# Altium PCB 3D-CPU-board-multi.PcbDoc (part 1 of 3)
Units mm, origin at the board's own origin, x right, y up, seen from the top; angles counter-clockwise.
Board outline 100 x 66.22 mm, 6 copper layers (L1, Power, L2, L3, CommonGND, L4), stack 2.134 mm thick; 307 components, 215 nets, 1001 pads, 419 vias.
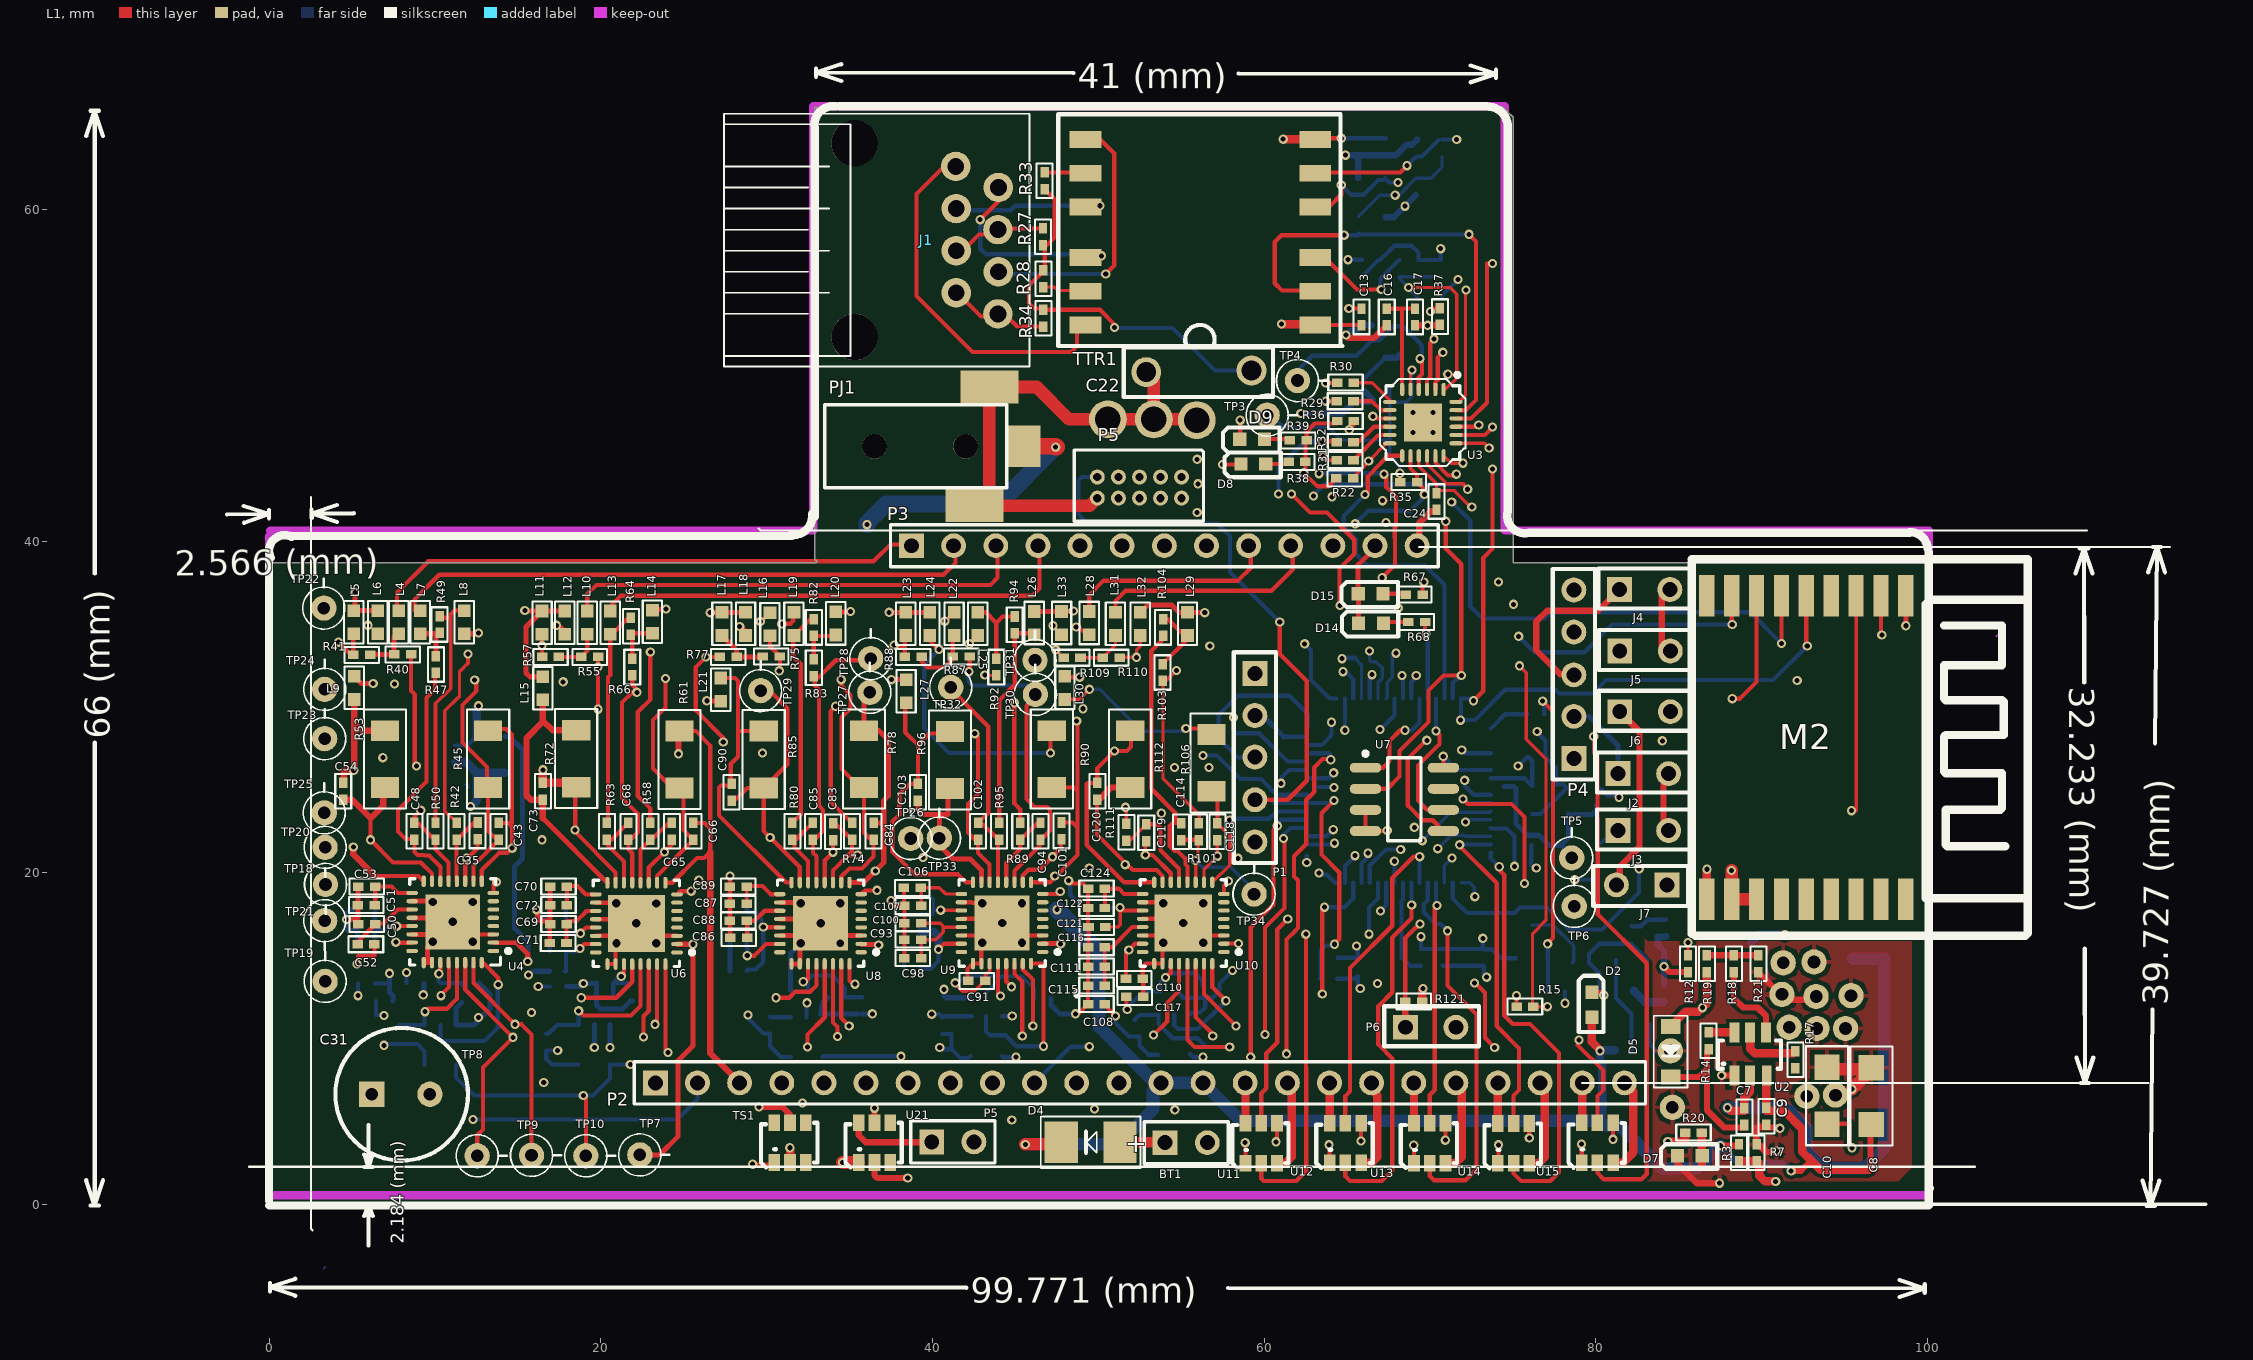
[diagram p0: L1 view]
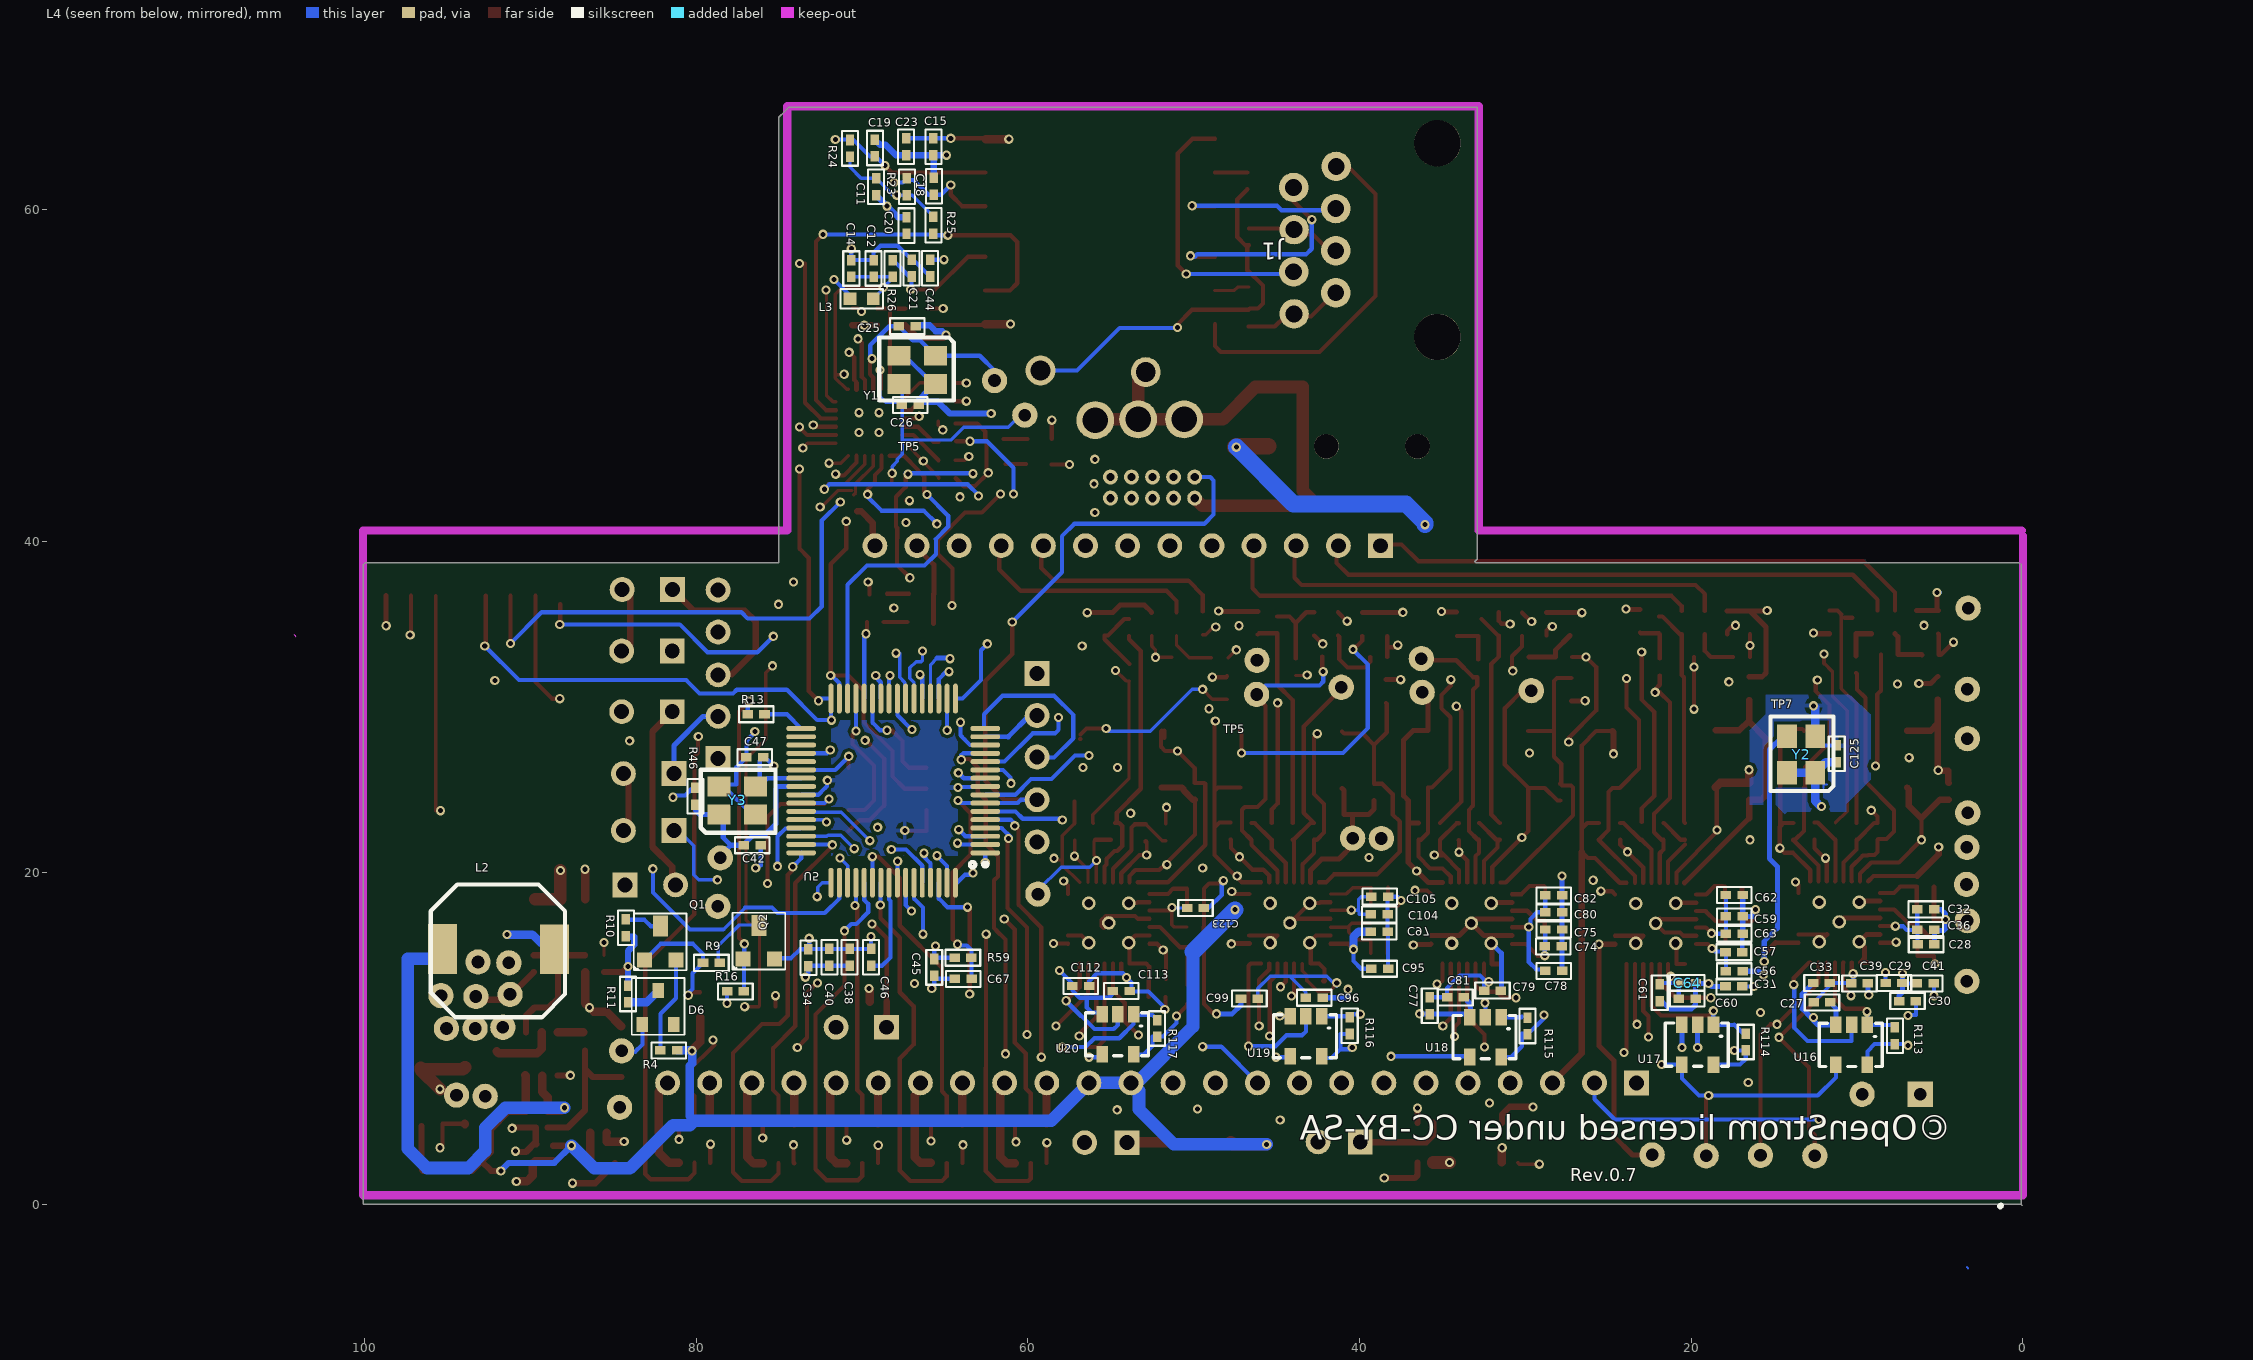
[diagram p1: L4 view, seen from below]
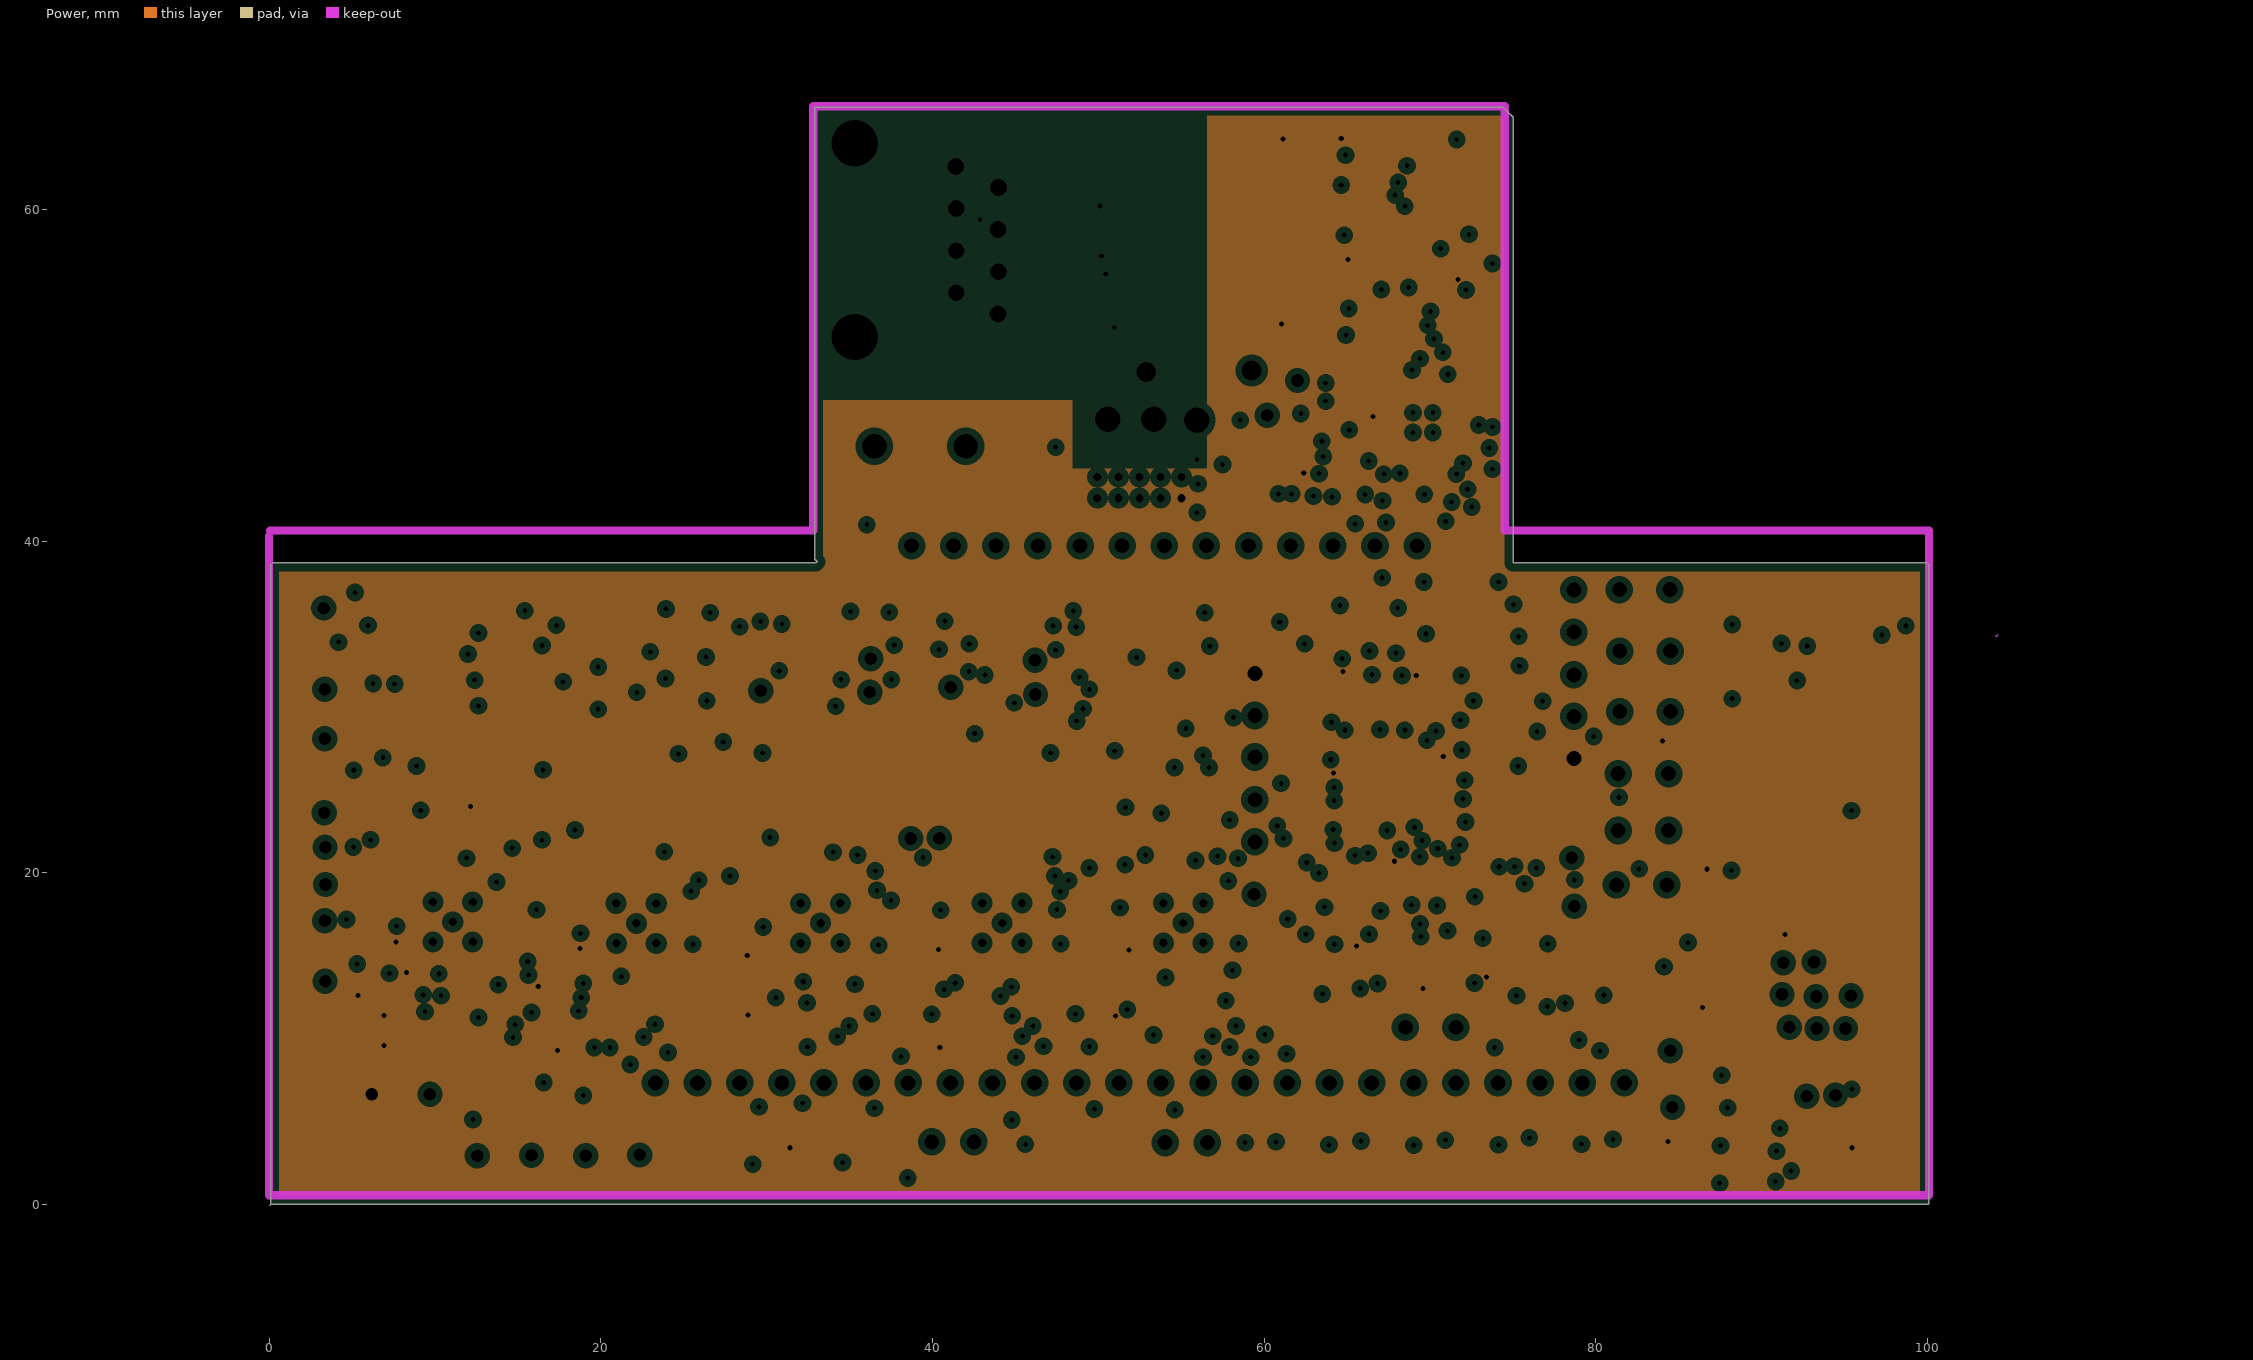
[diagram p2: Power, clearances drawn from the general rule]
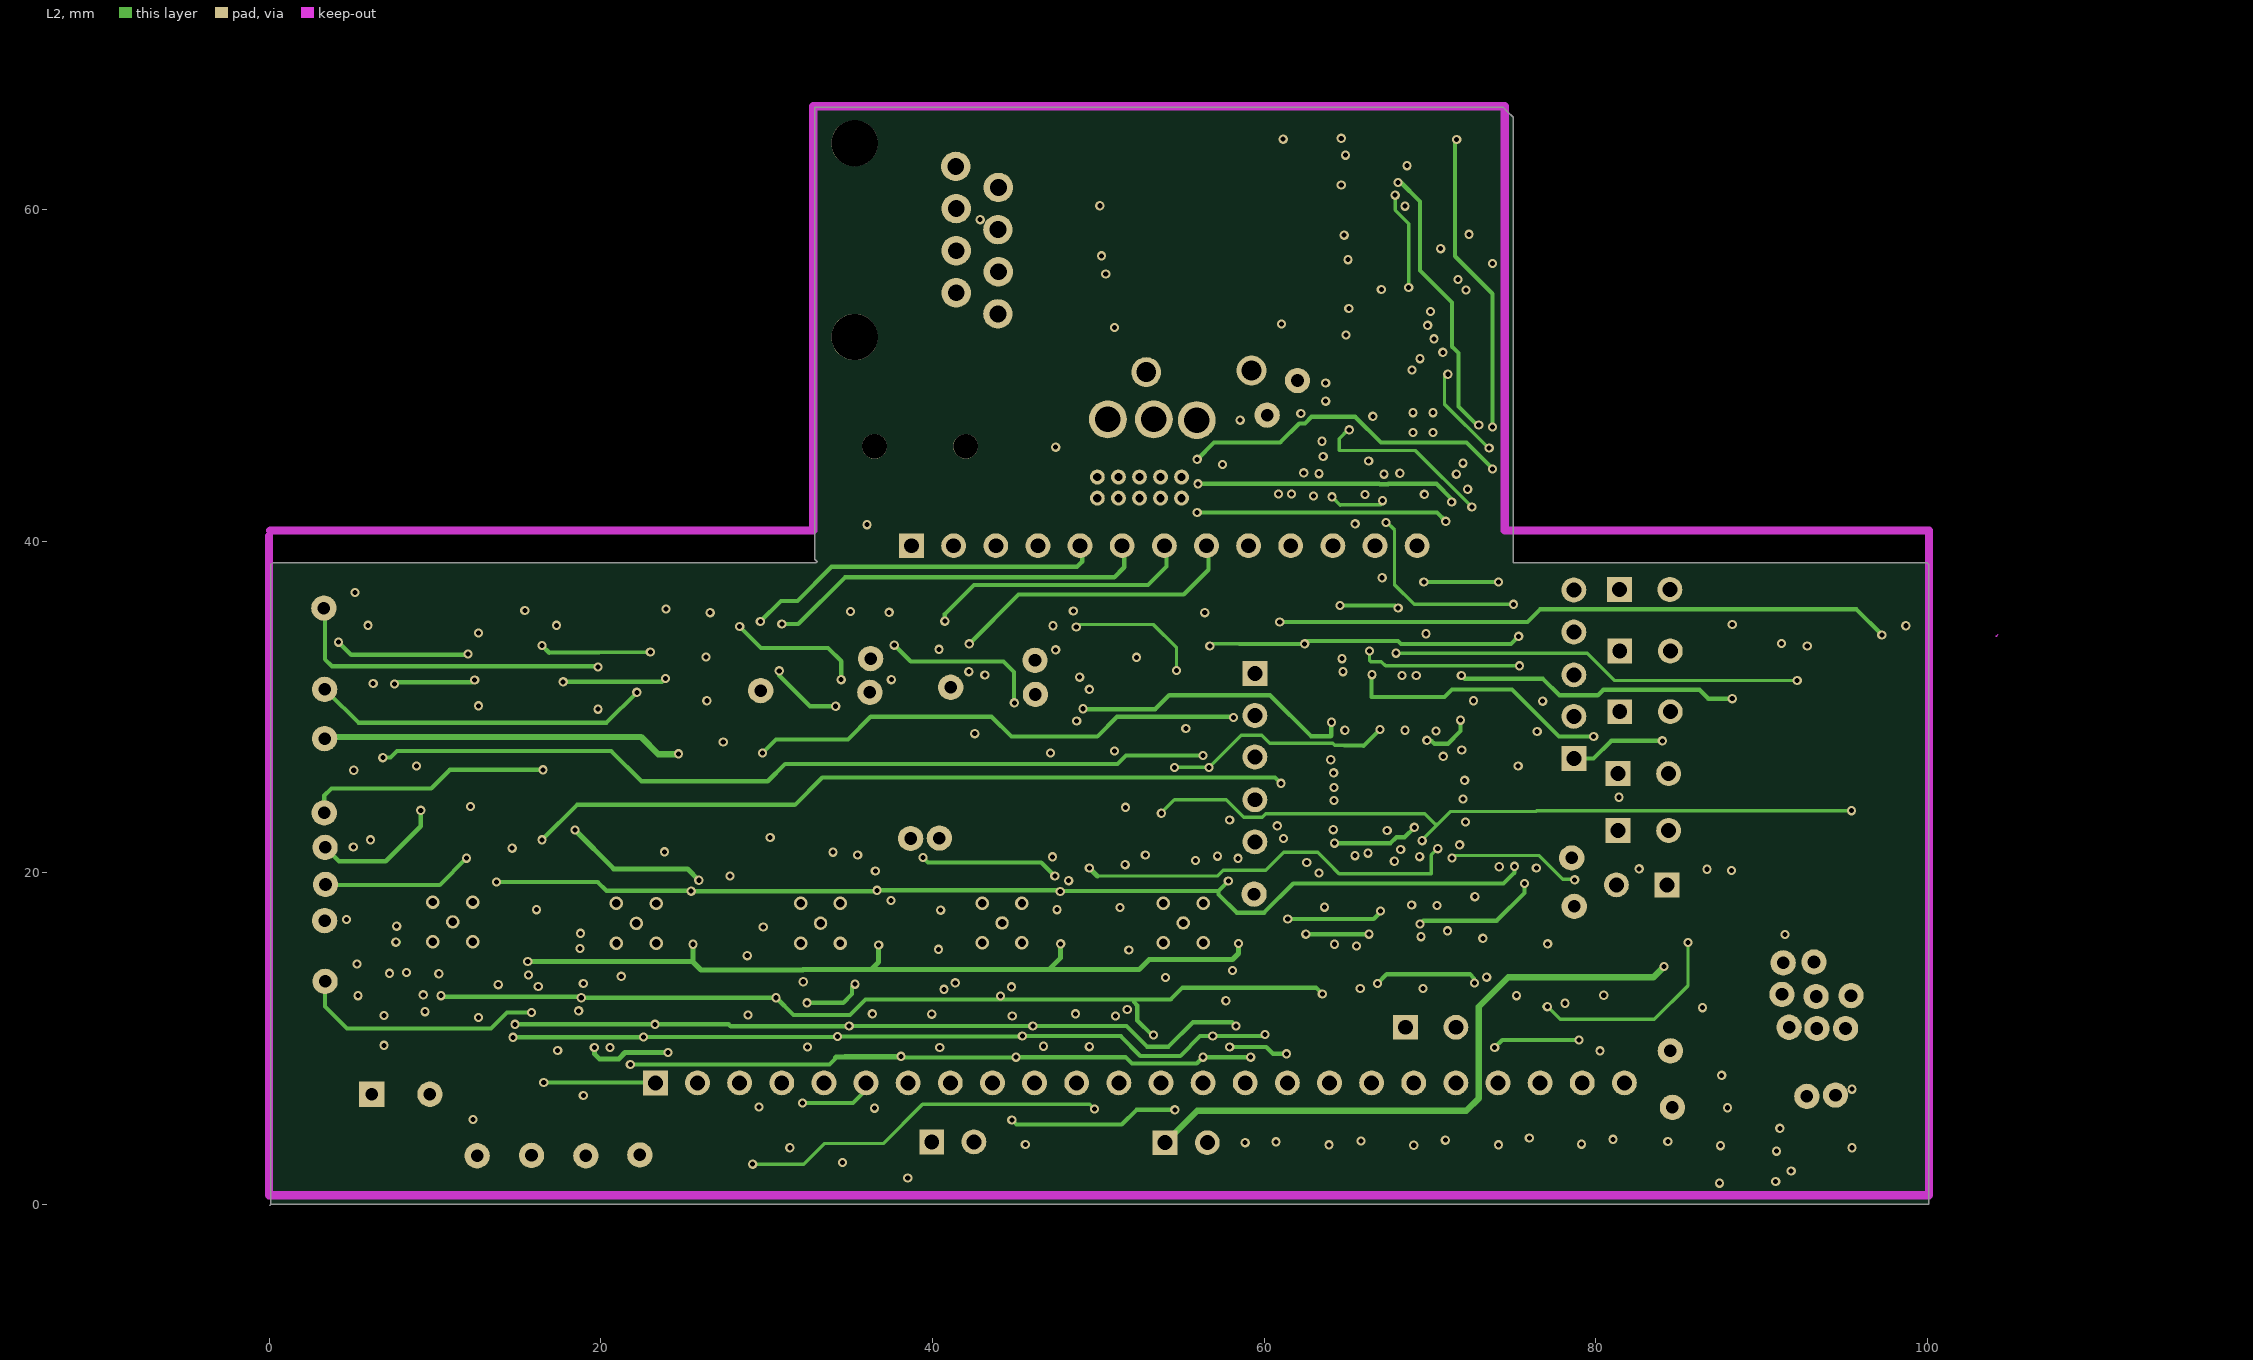
[diagram p3: L2]
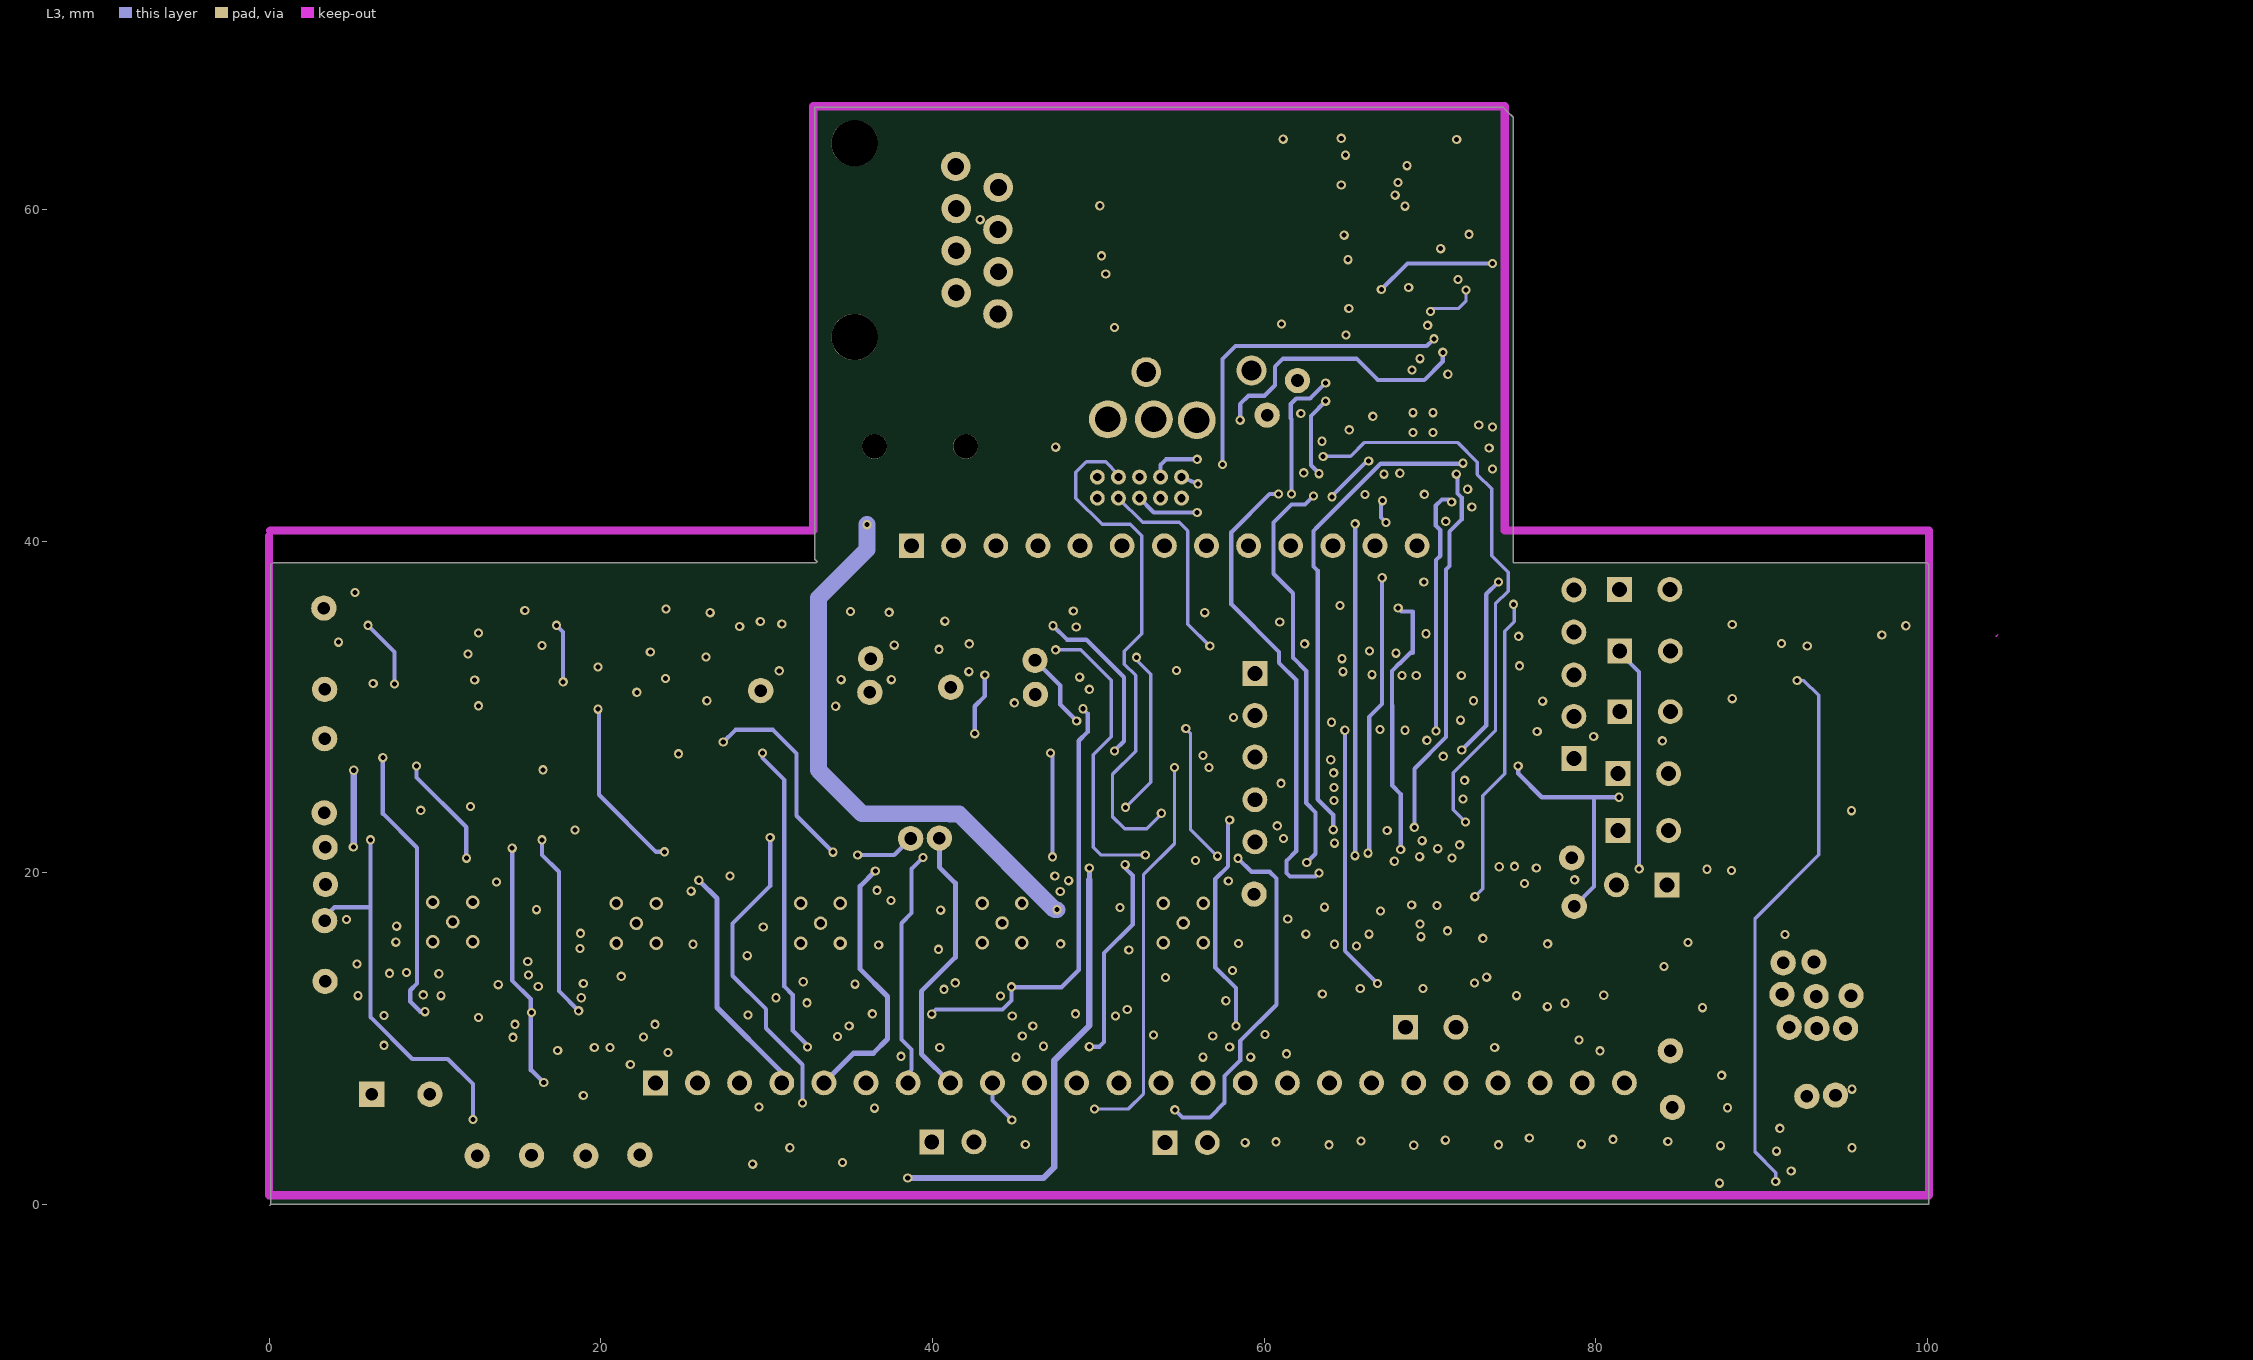
[diagram p4: L3]